# Altium PCB ESP32_board_PCB.PcbDoc (part 1 of 2)
Units mm, origin at the board's own origin, x right, y up, seen from the top; angles counter-clockwise.
Board outline 82 x 84 mm, 4 copper layers (Top Layer, Layer 1, Layer 2, Bottom Layer), stack 1.586 mm thick; 126 components, 96 nets, 418 pads, 291 vias.
Unrouted connection lines stored in the file: 1.
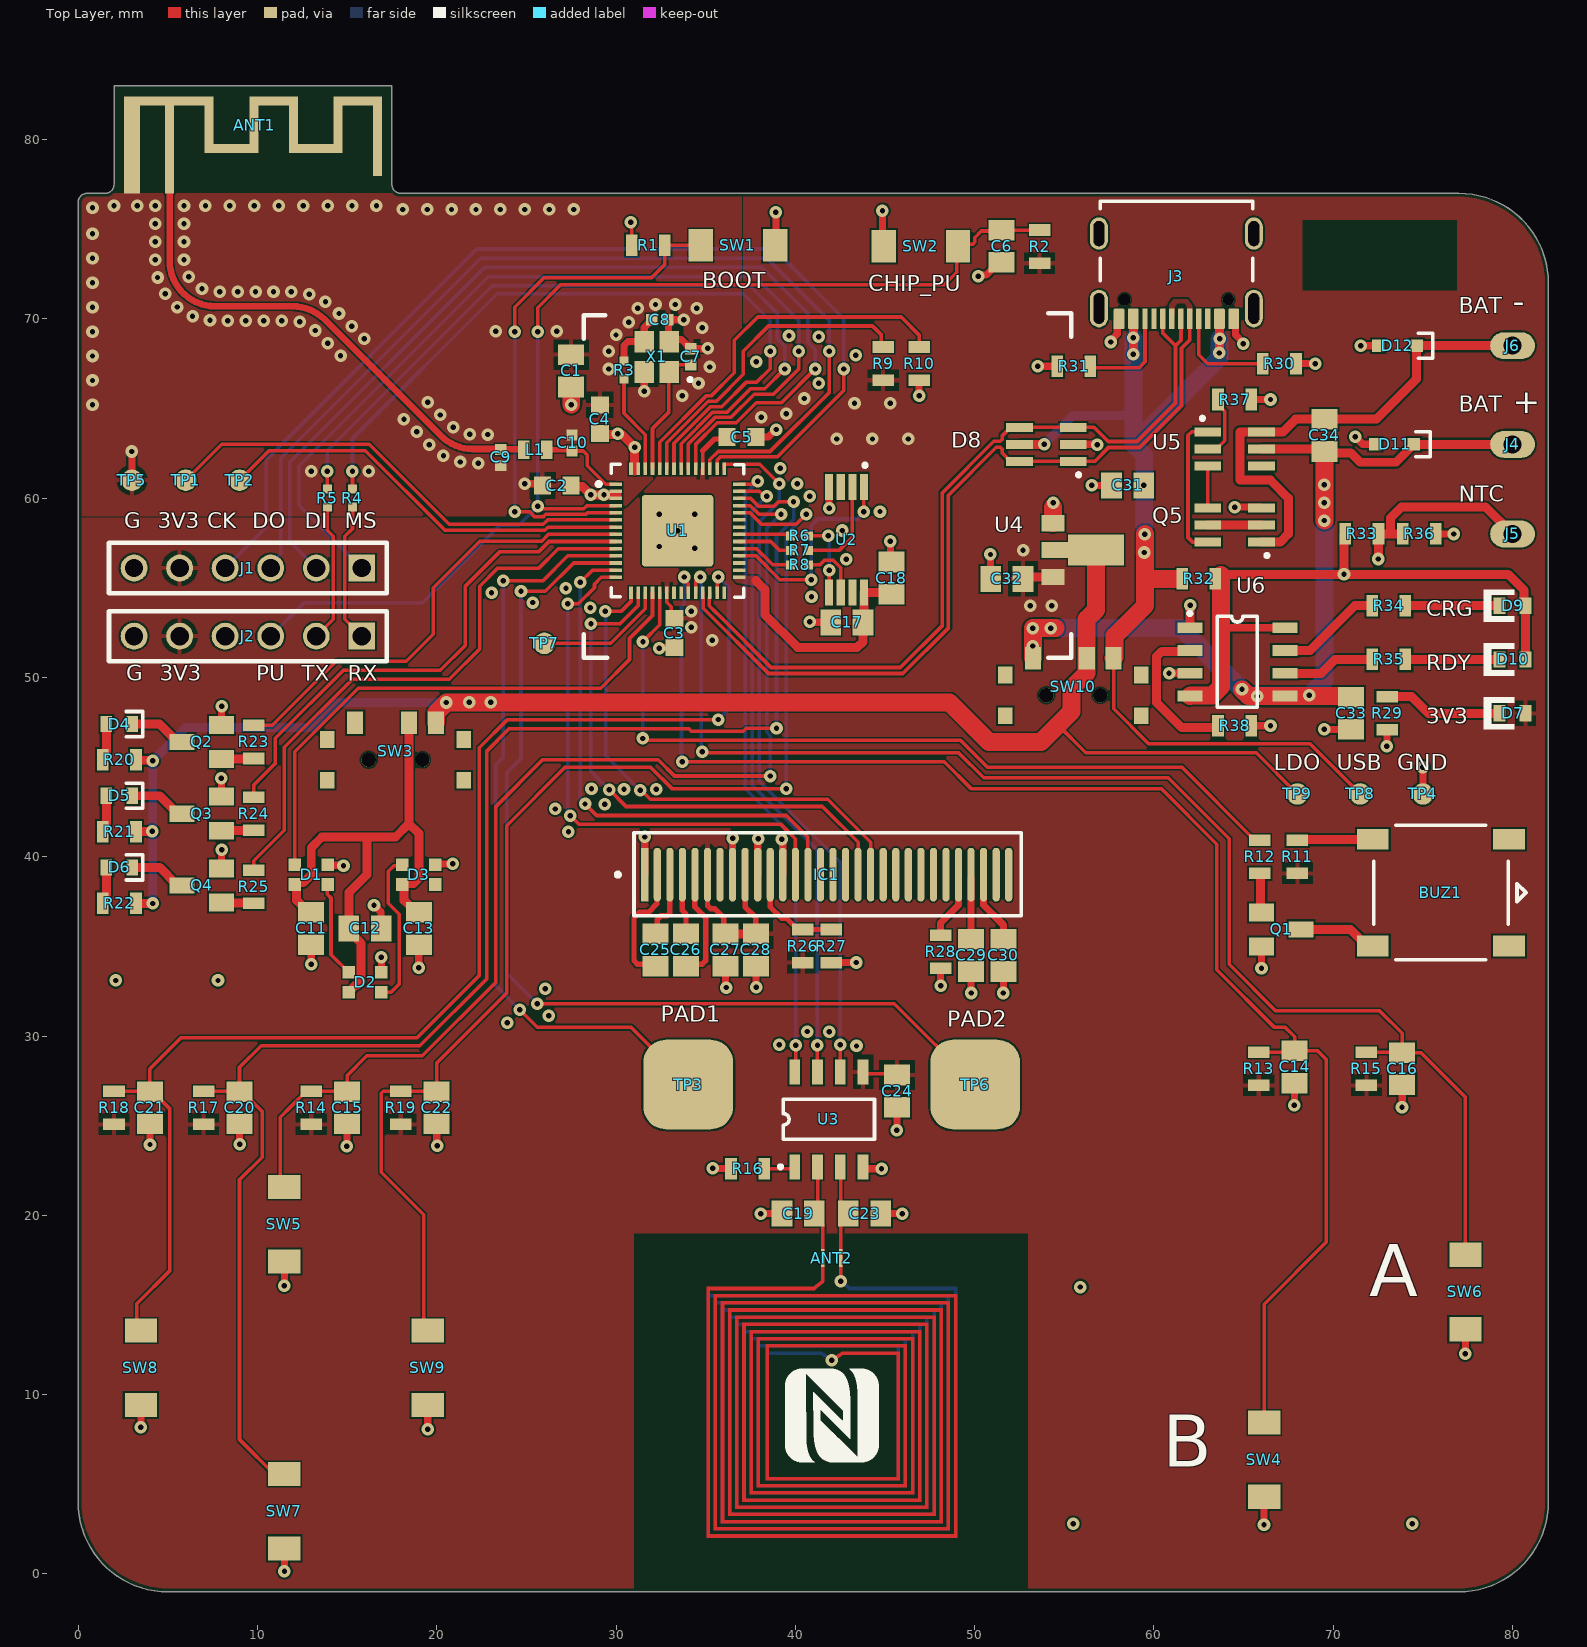
[diagram p0: Top Layer view]
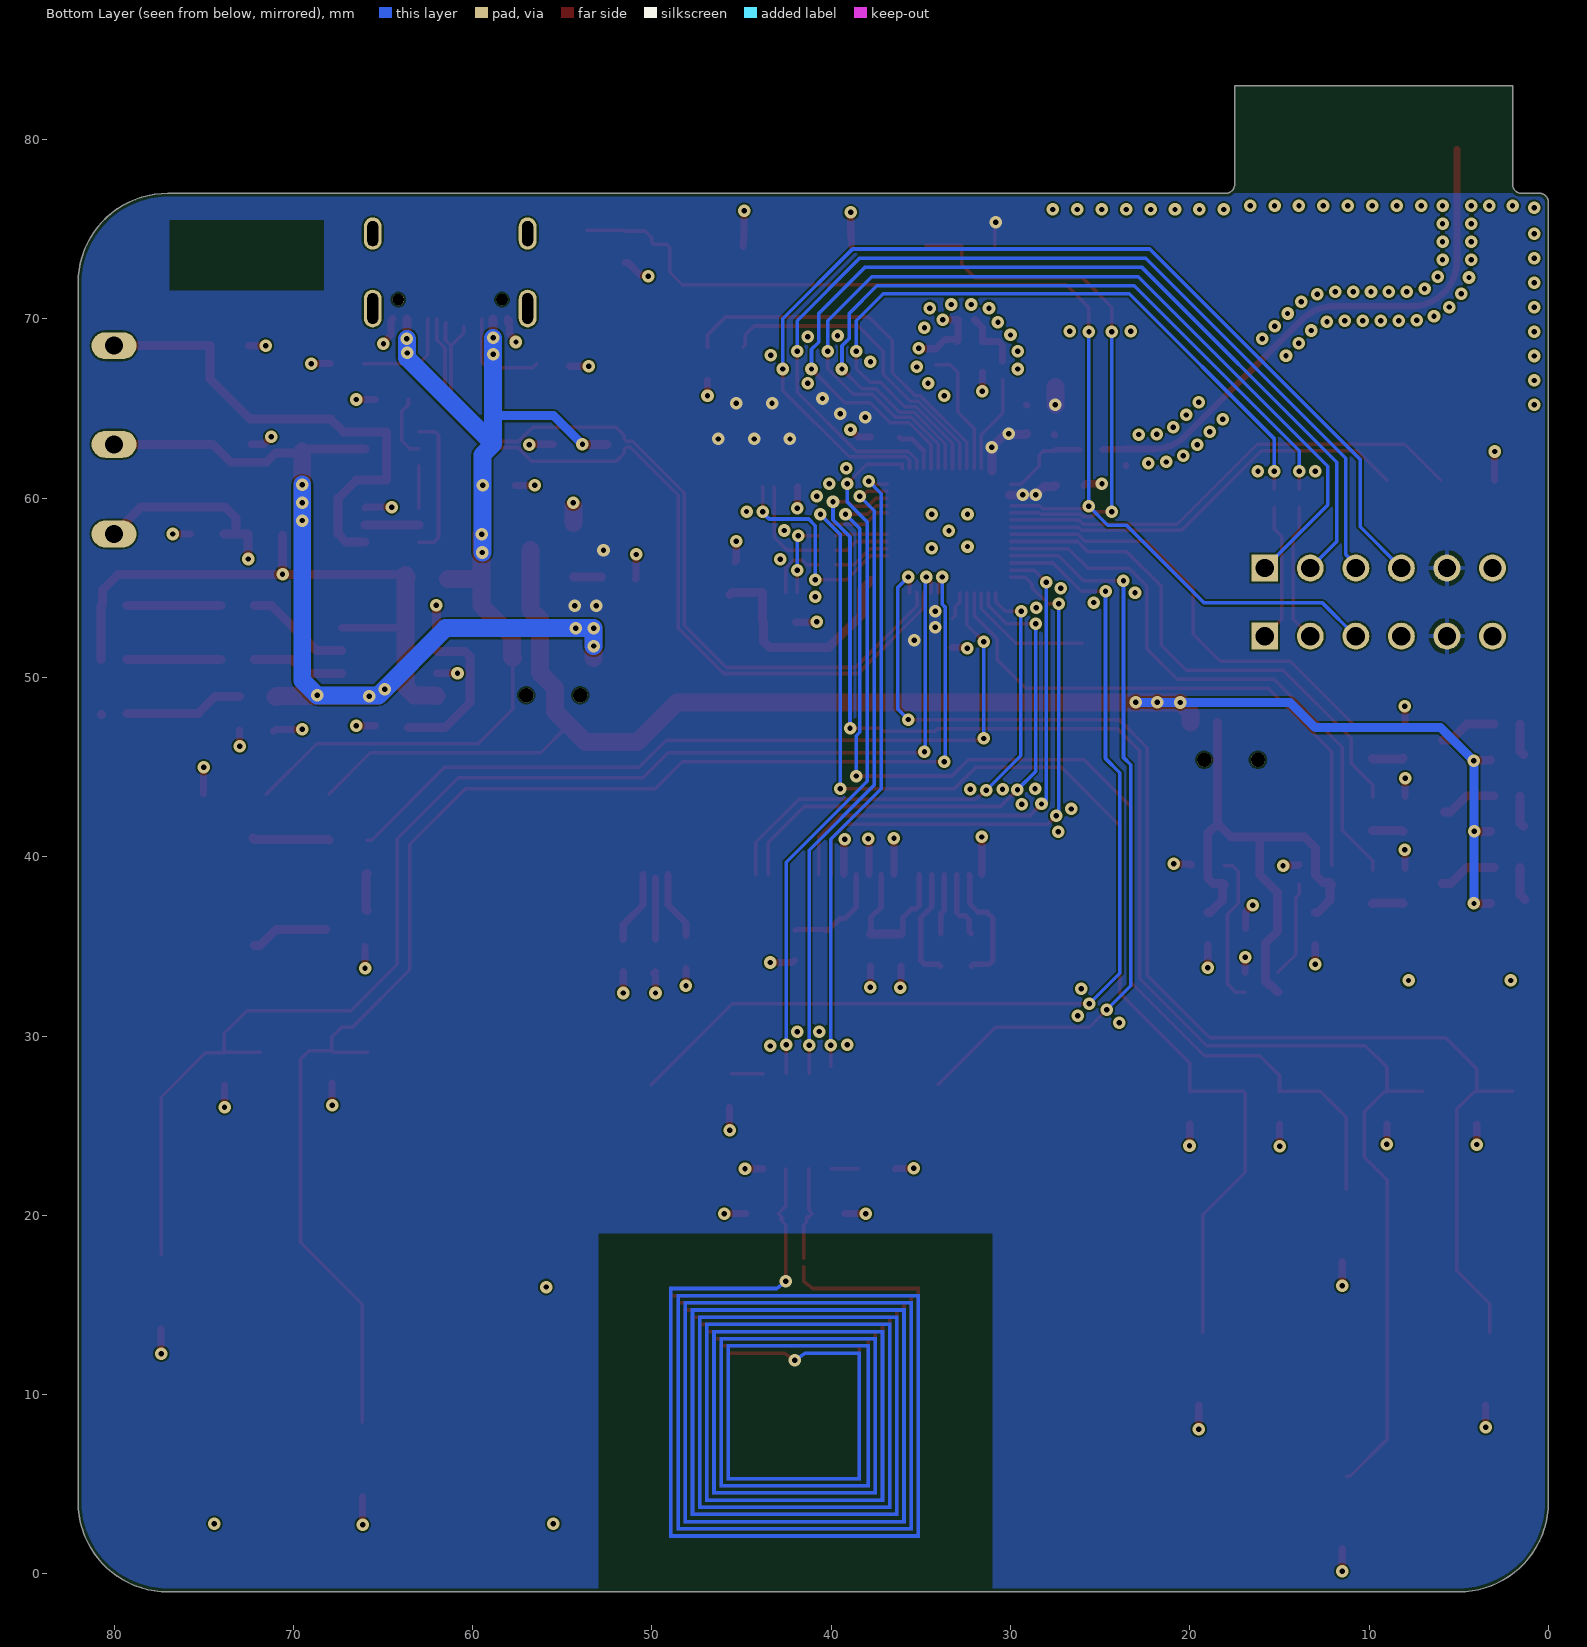
[diagram p1: Bottom Layer view, seen from below]
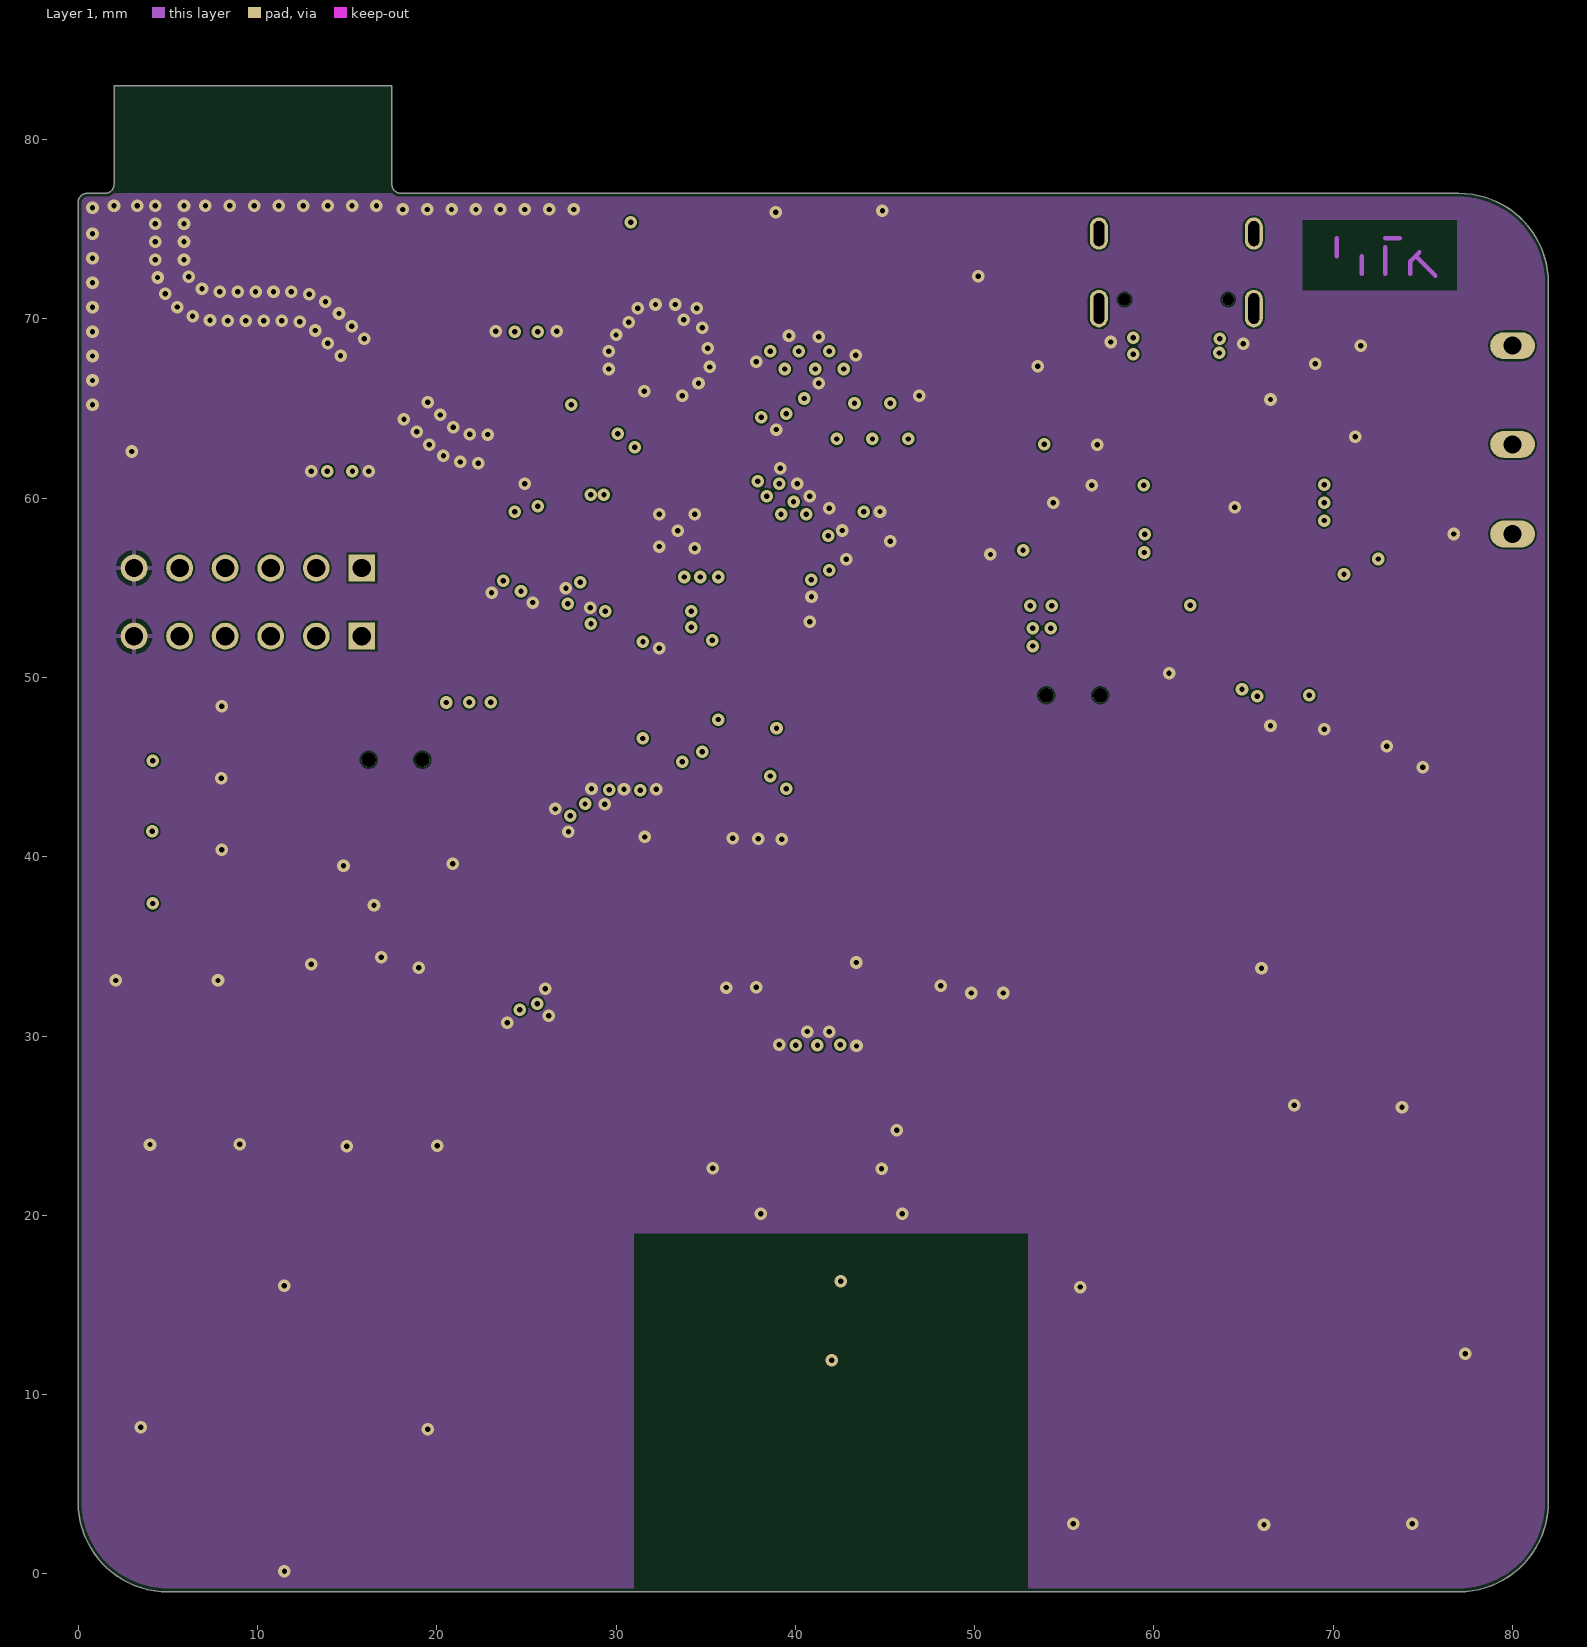
[diagram p2: Layer 1]
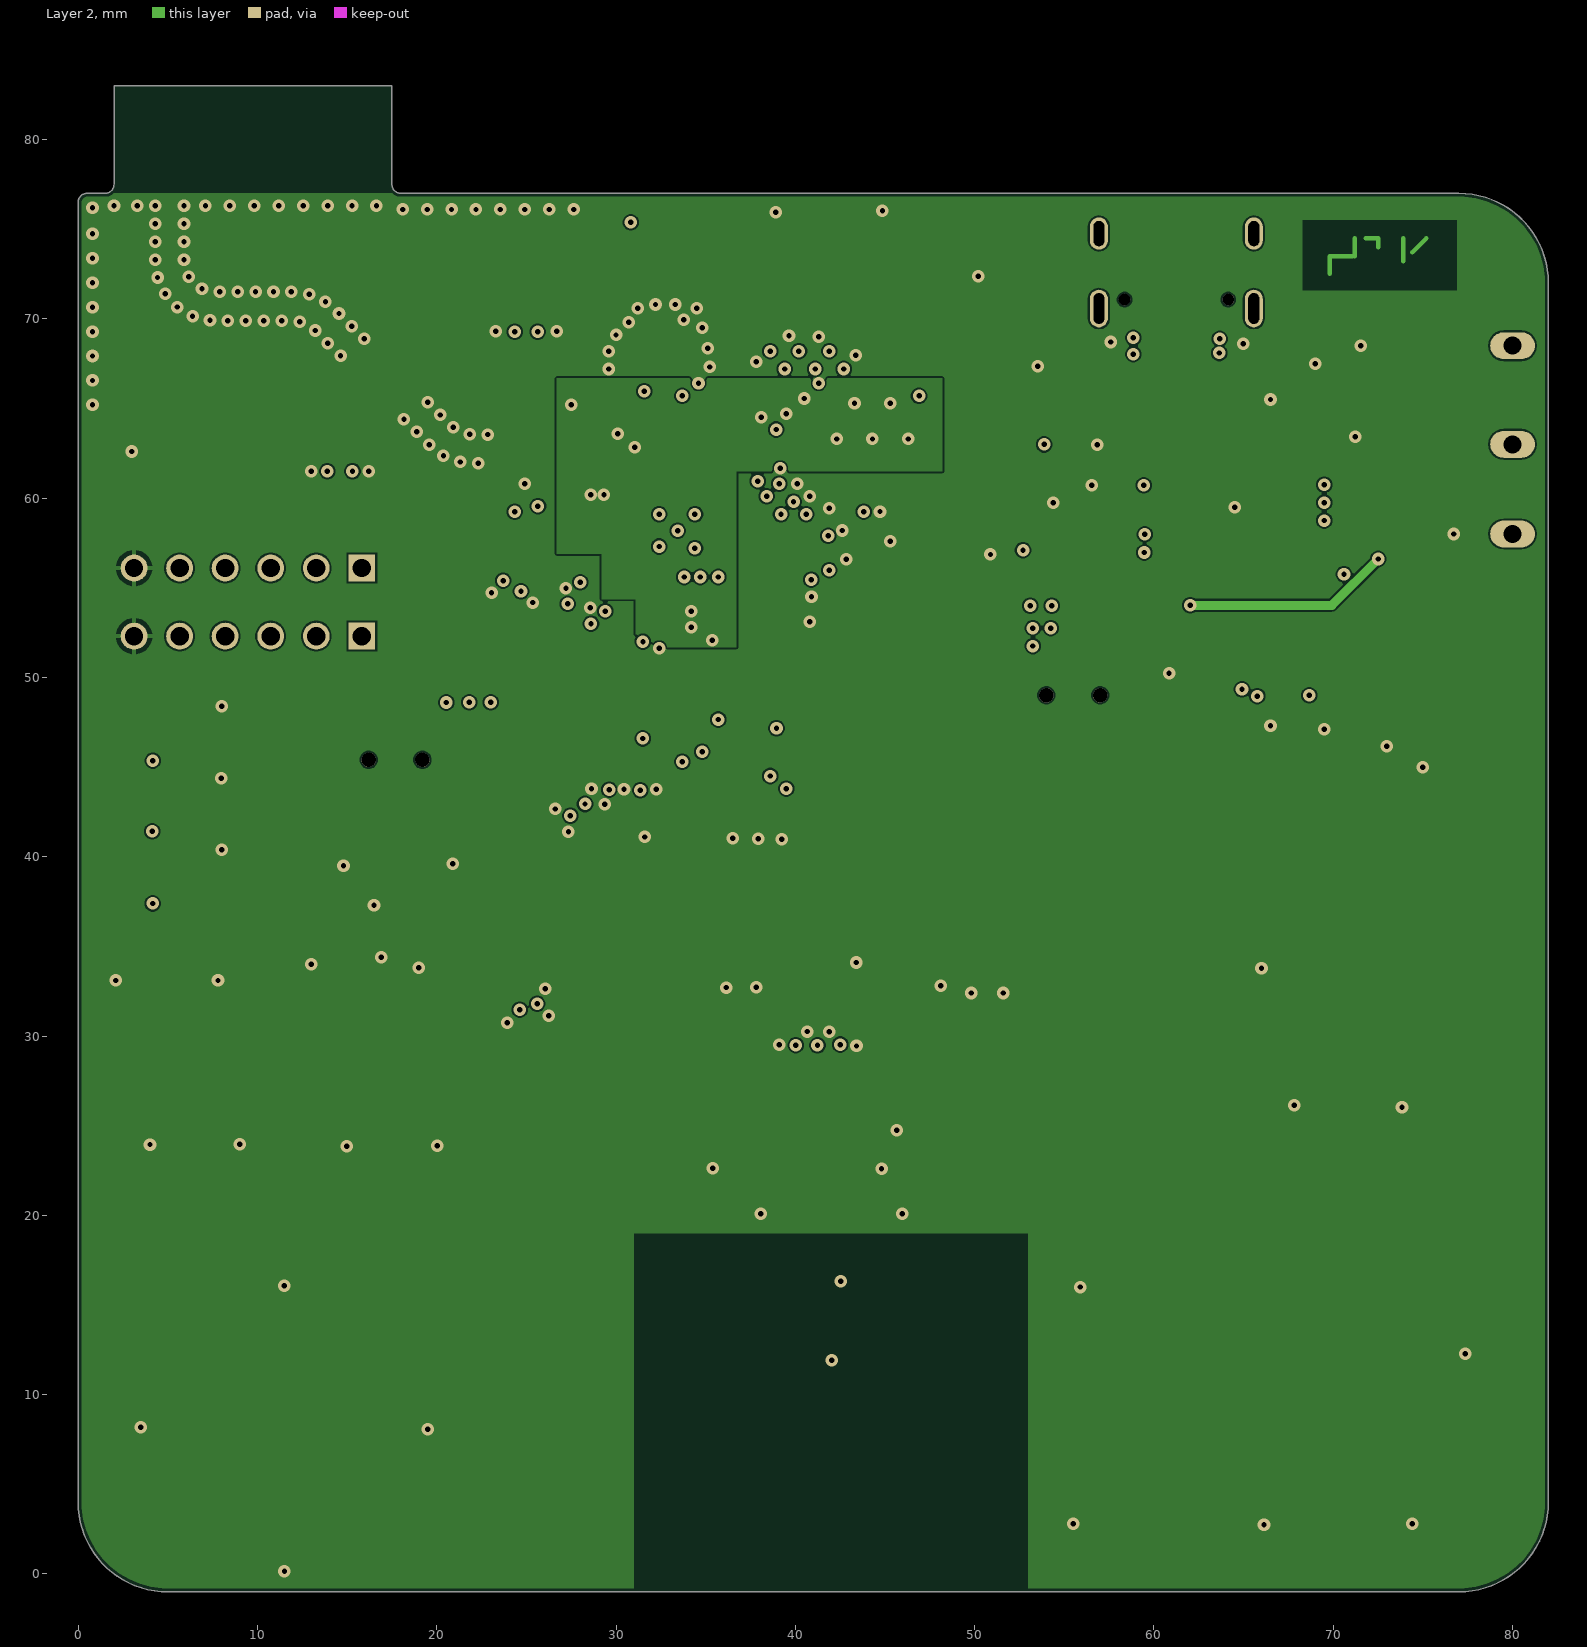
[diagram p3: Layer 2]
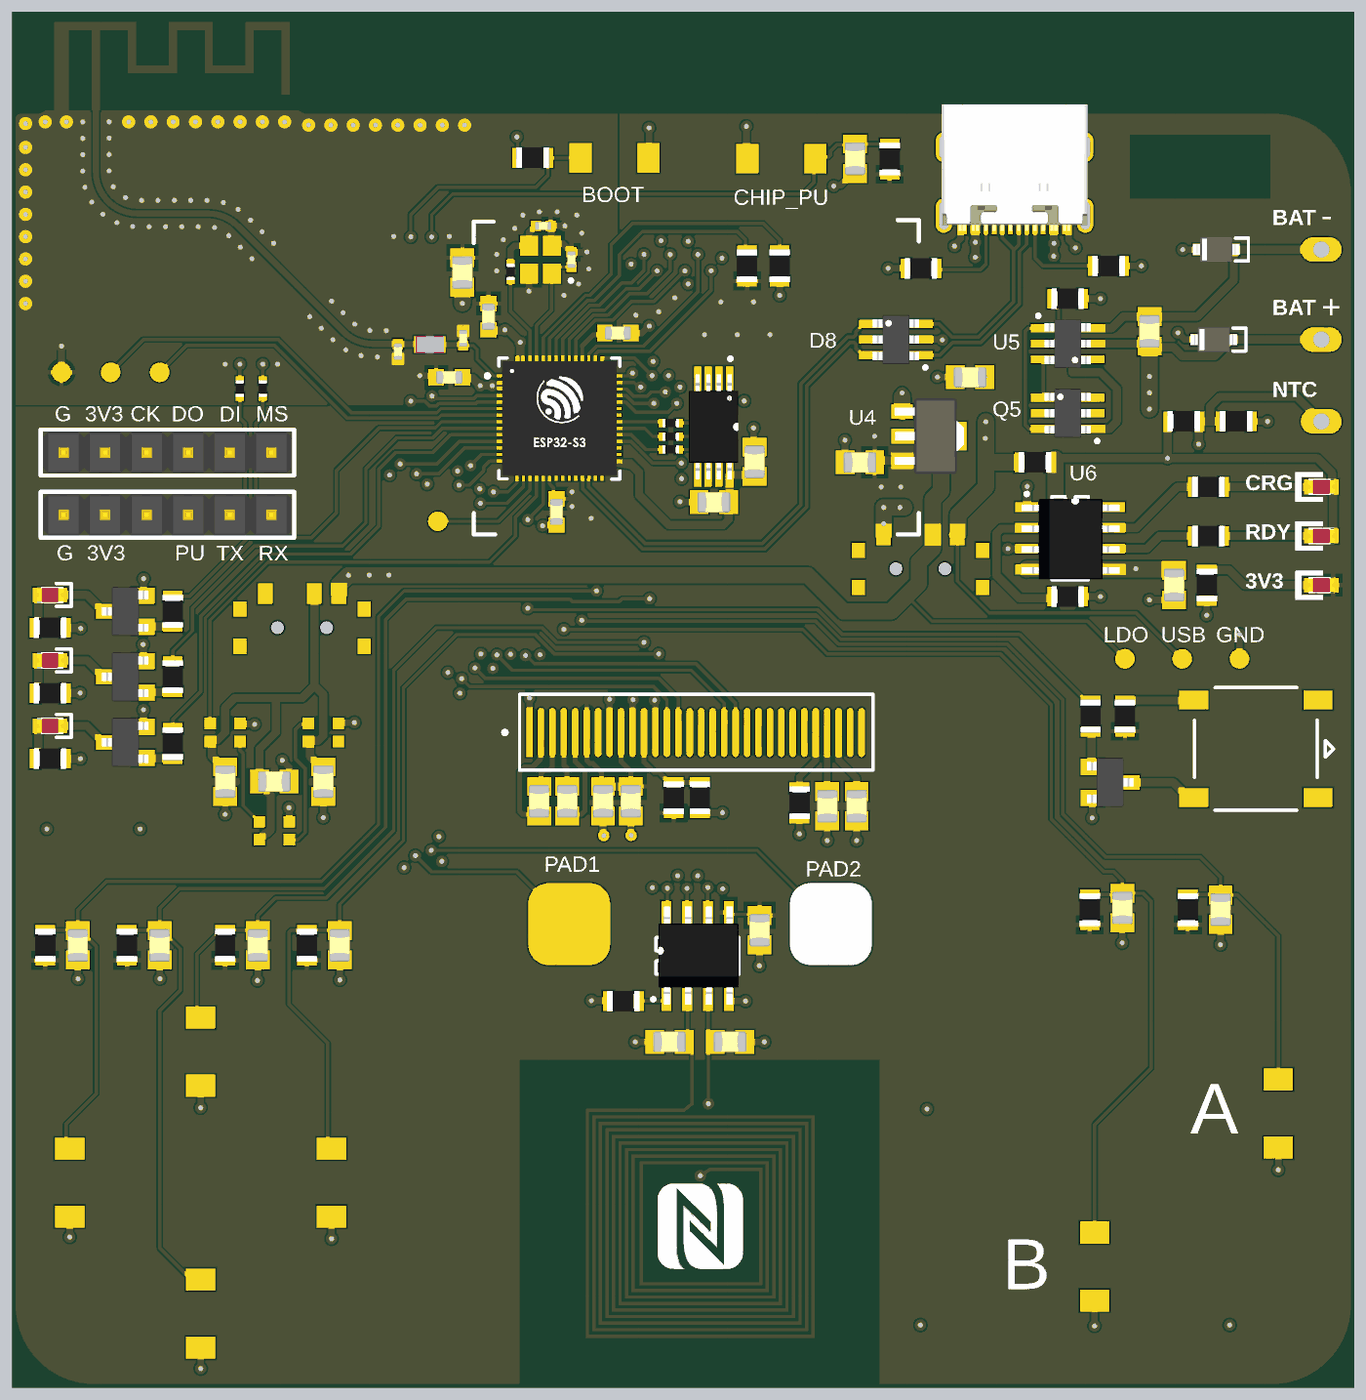
[diagram p5: 3D render of the assembled board from above, using the file's embedded part models]

## Layer stack, top to bottom
Top Solder: solder mask 0.0102, Solder Resist, Dk 3.5
Top Layer: signal copper 0.035
Dielectric 2: prepreg 0.2104, 7628*1, Dk 4.4
Layer 1: signal copper 0.0152
Dielectric 1: dielectric 1.065, Core, Dk 4.6
Layer 2: signal copper 0.0152
Dielectric 3: prepreg 0.2104, 7628*1, Dk 4.4
Bottom Layer: signal copper 0.035
Bottom Solder: solder mask 0.0102, Solder Resist, Dk 3.5

## Board outline
0,4 0,76.5 cw(c0.5,76.5) 0.5,77 1.5,77 ccw(c1.5,77.5) 2,77.5 2,83 17.5,83 17.5,77.5 ccw(c18,77.5) 18,77 77,77 cw(c77,72) 82,72 82,4 cw(c77,4) 77,-1 5,-1 cw(c5,4)
